# Altium PCB H3_PCB_20191213_V2.PcbDoc (part 1 of 4)
Units mil, origin at the board's own origin, x right, y up, seen from the top; angles counter-clockwise.
Board outline 3705.03 x 2350.03 mil, 4 copper layers (Top Layer, PWR, GND, Bottom Layer), stack 30.634 mil thick; 134 components, 150 nets, 995 pads, 670 vias.
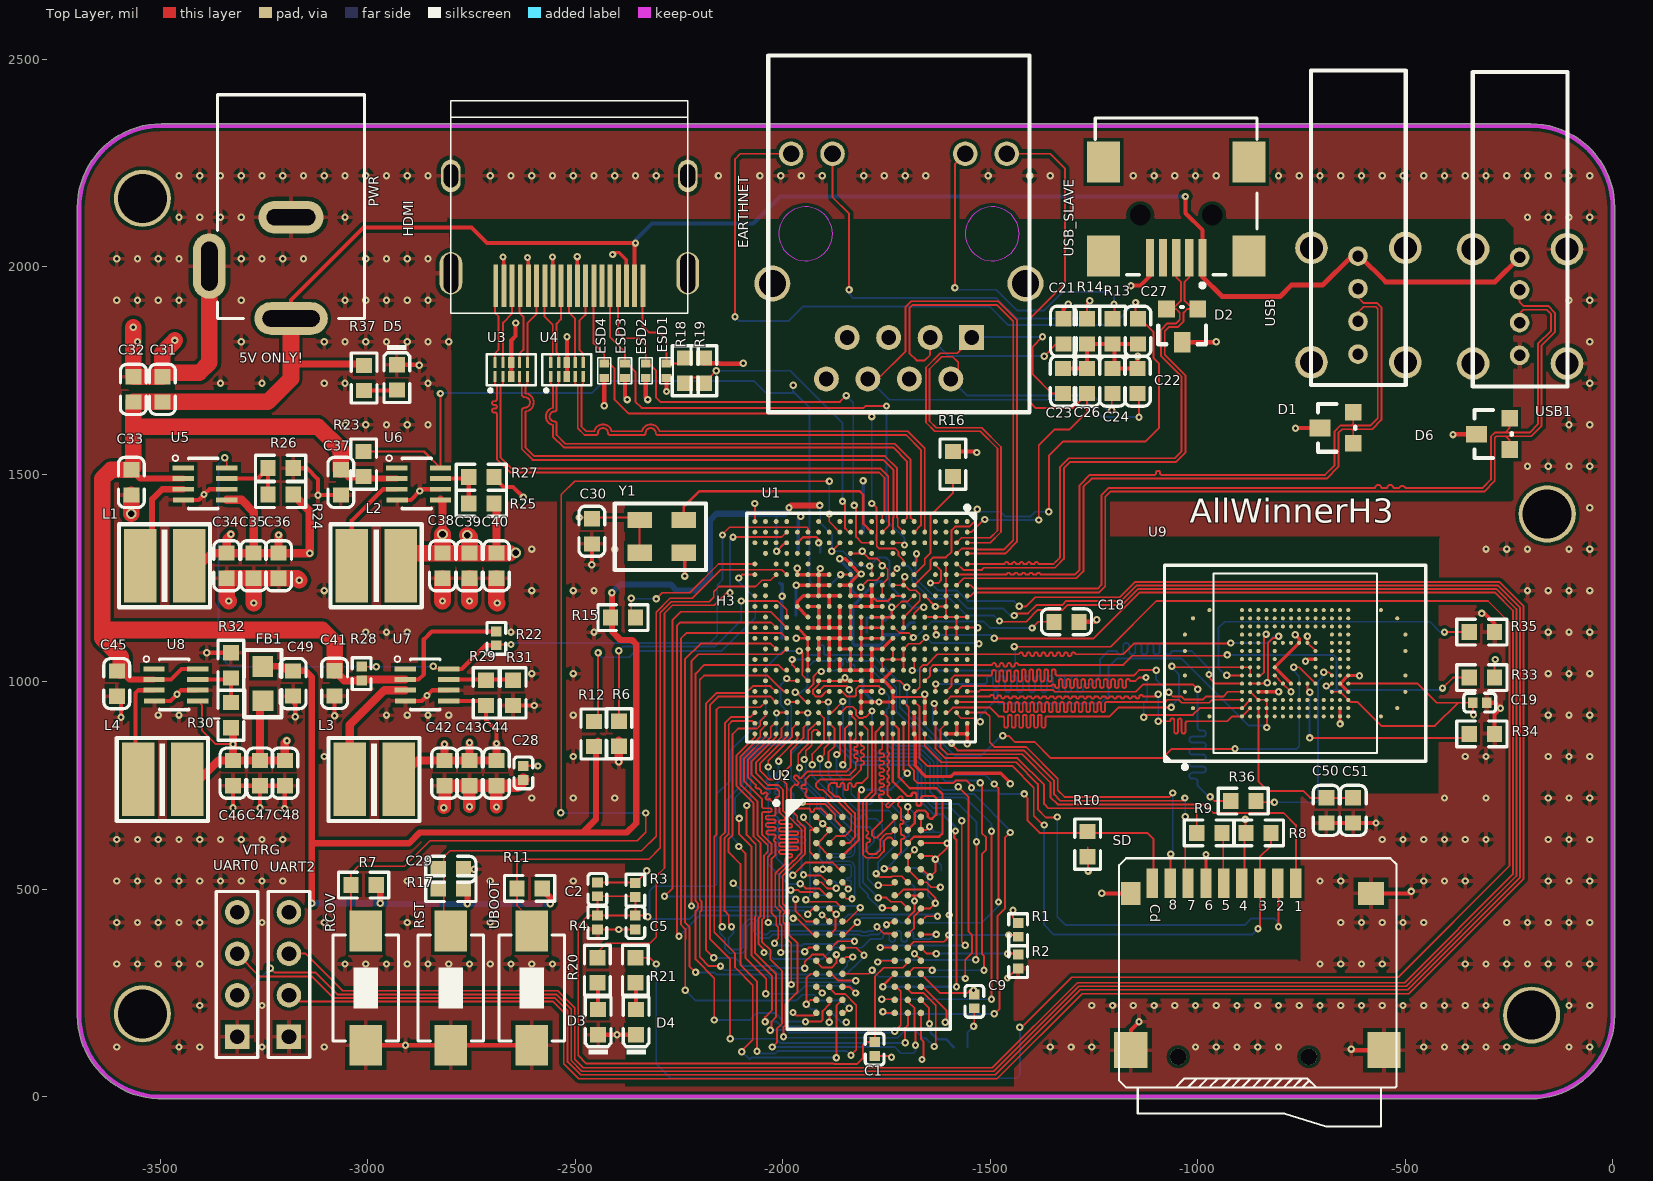
[diagram p0: Top Layer view]
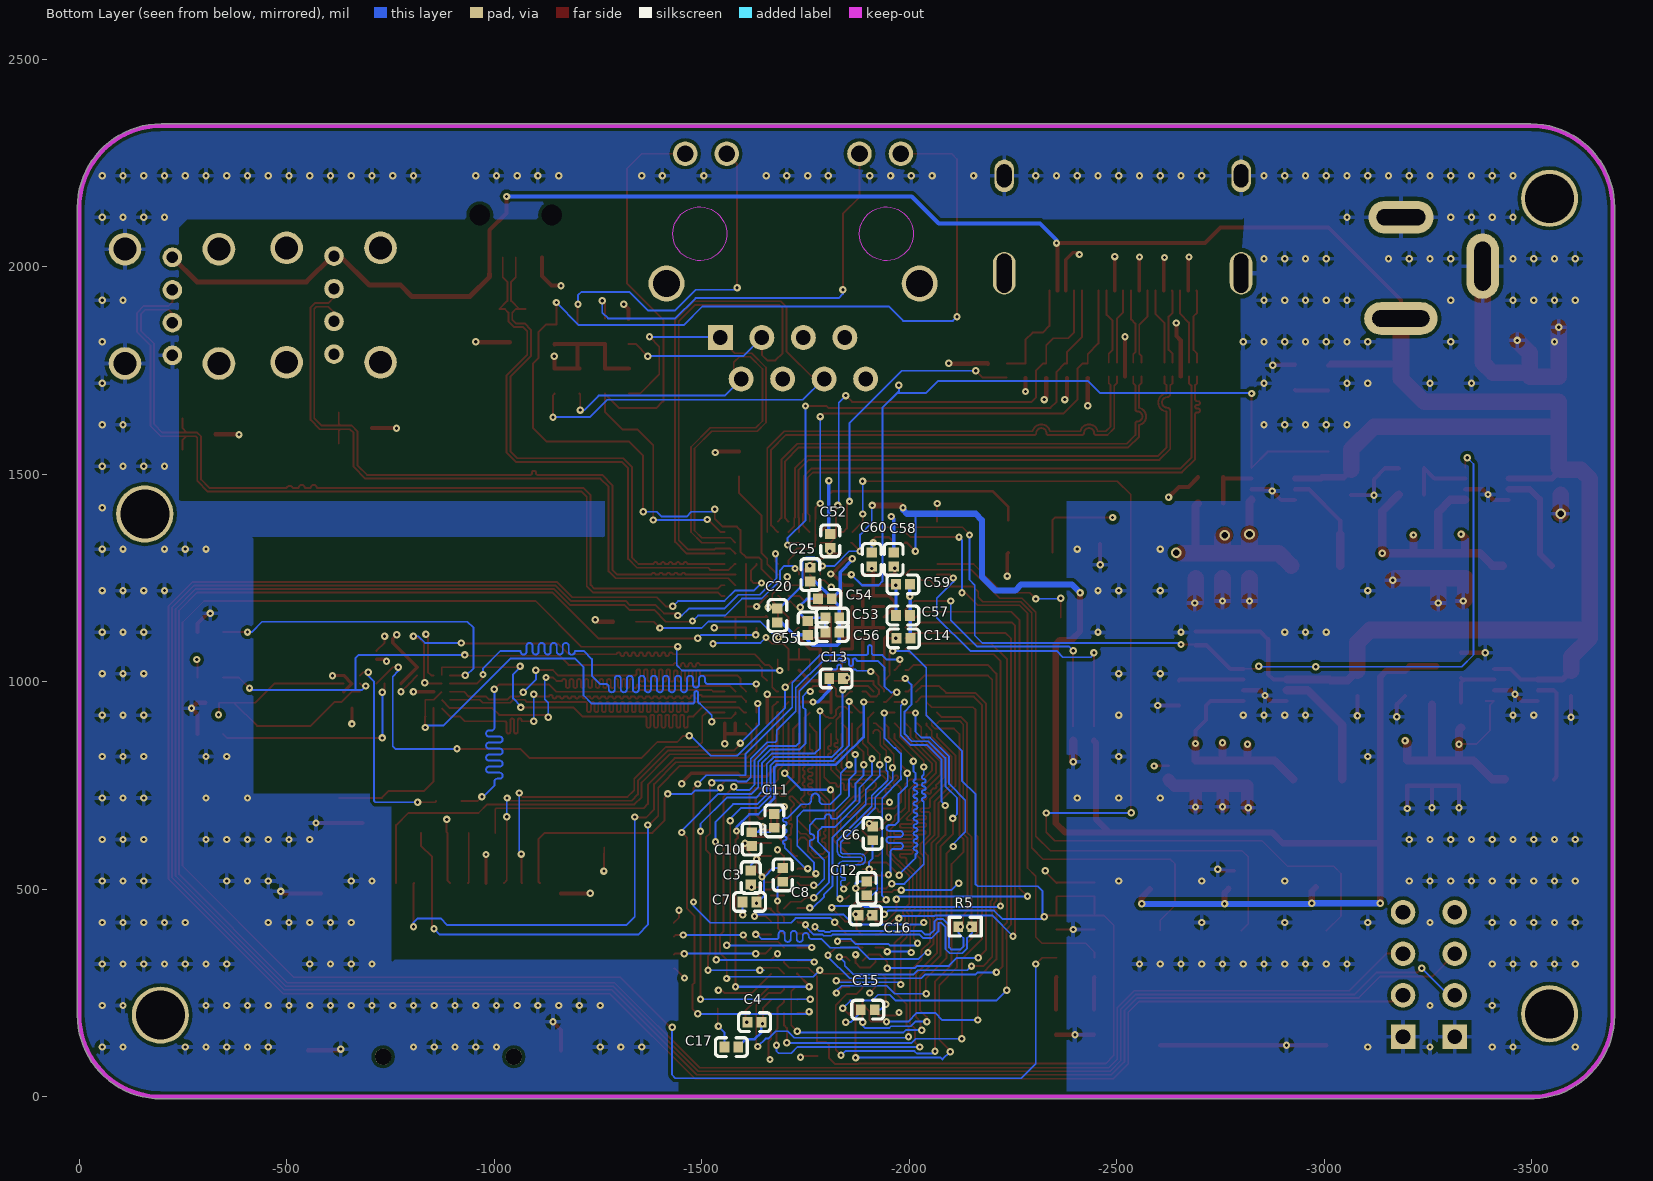
[diagram p1: Bottom Layer view, seen from below]
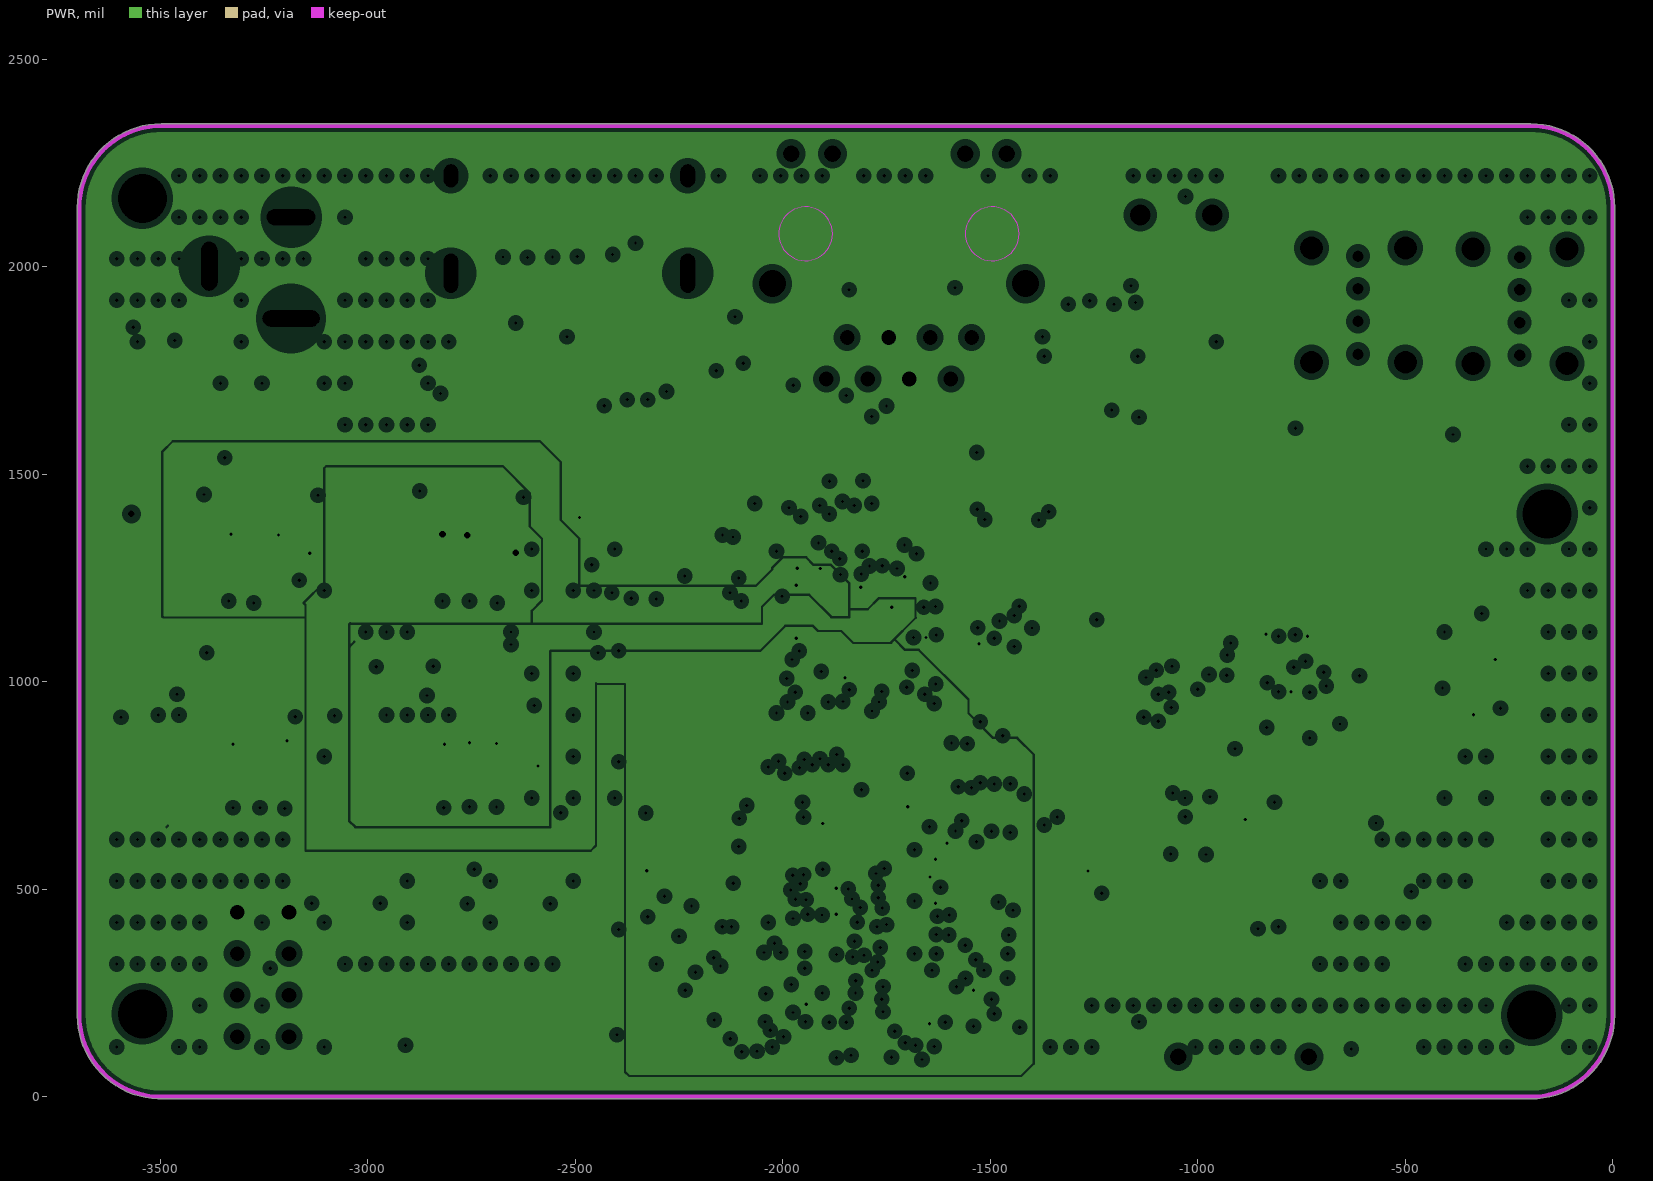
[diagram p2: PWR, clearances drawn from the general rule]
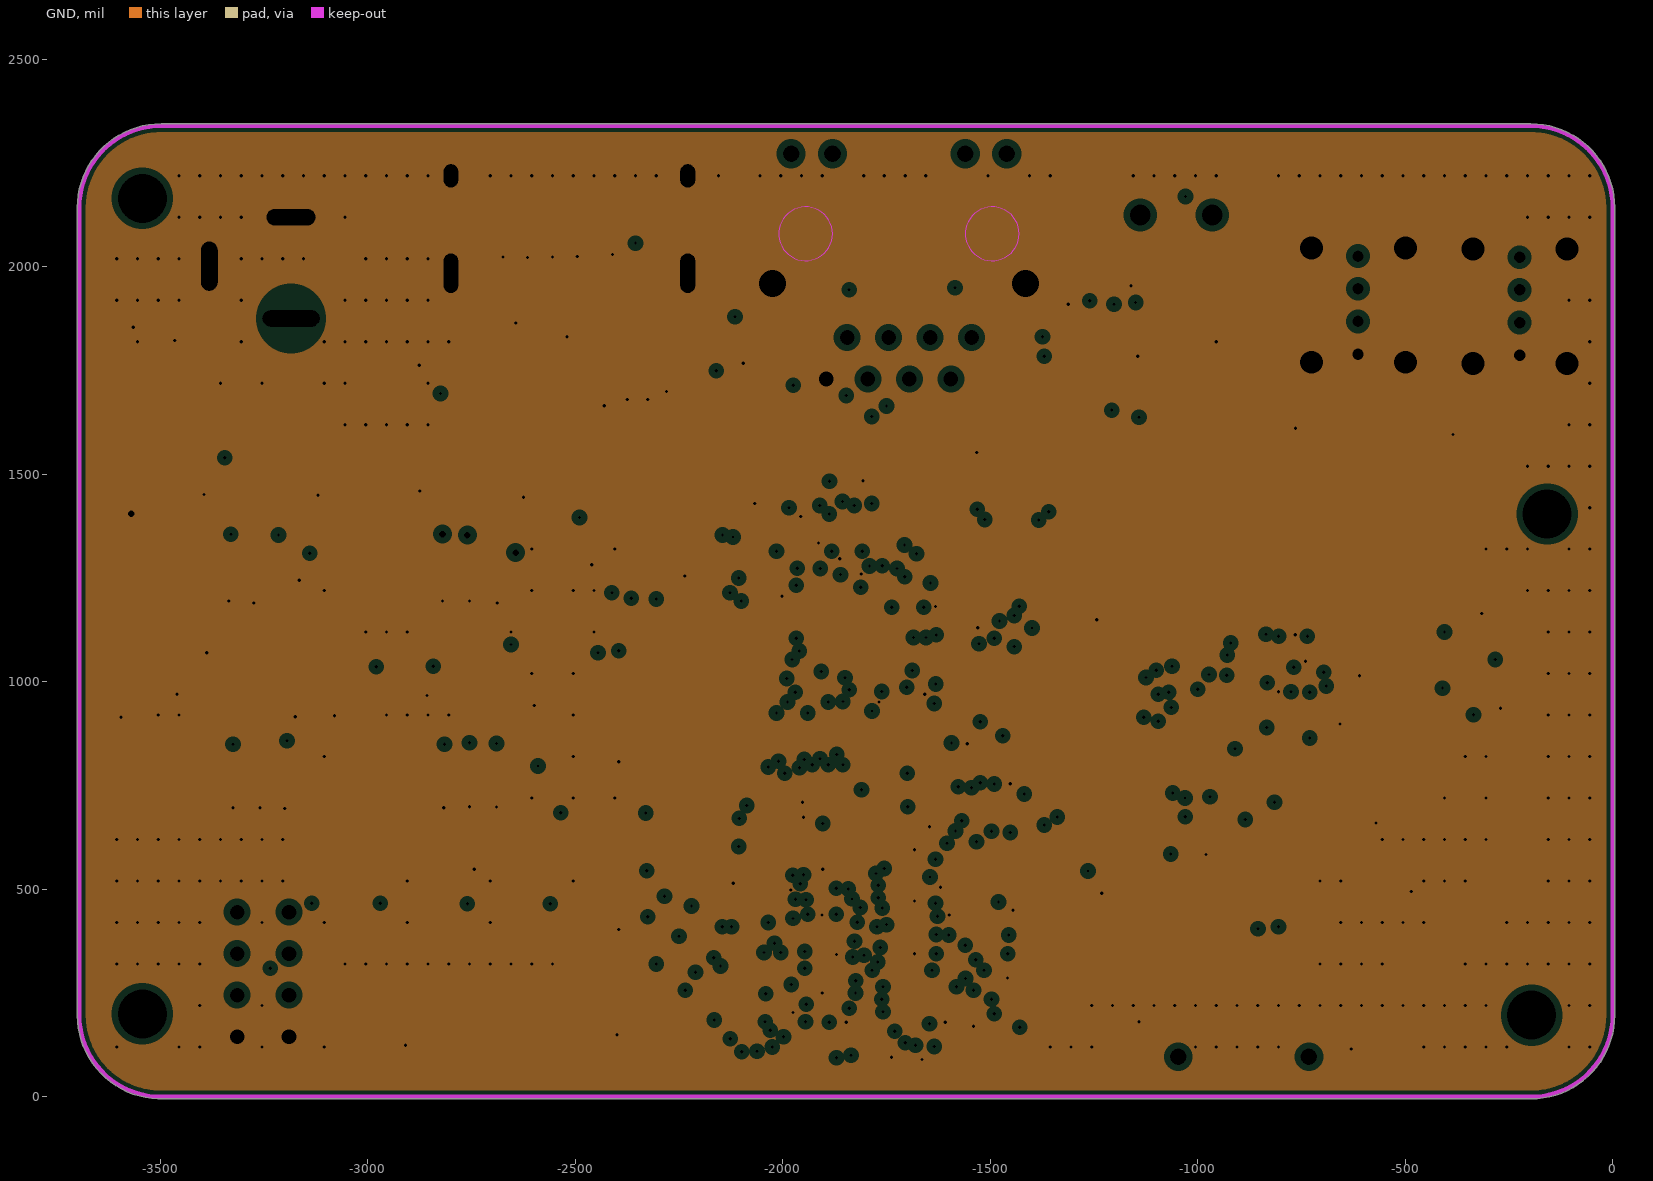
[diagram p3: GND, clearances drawn from the general rule]
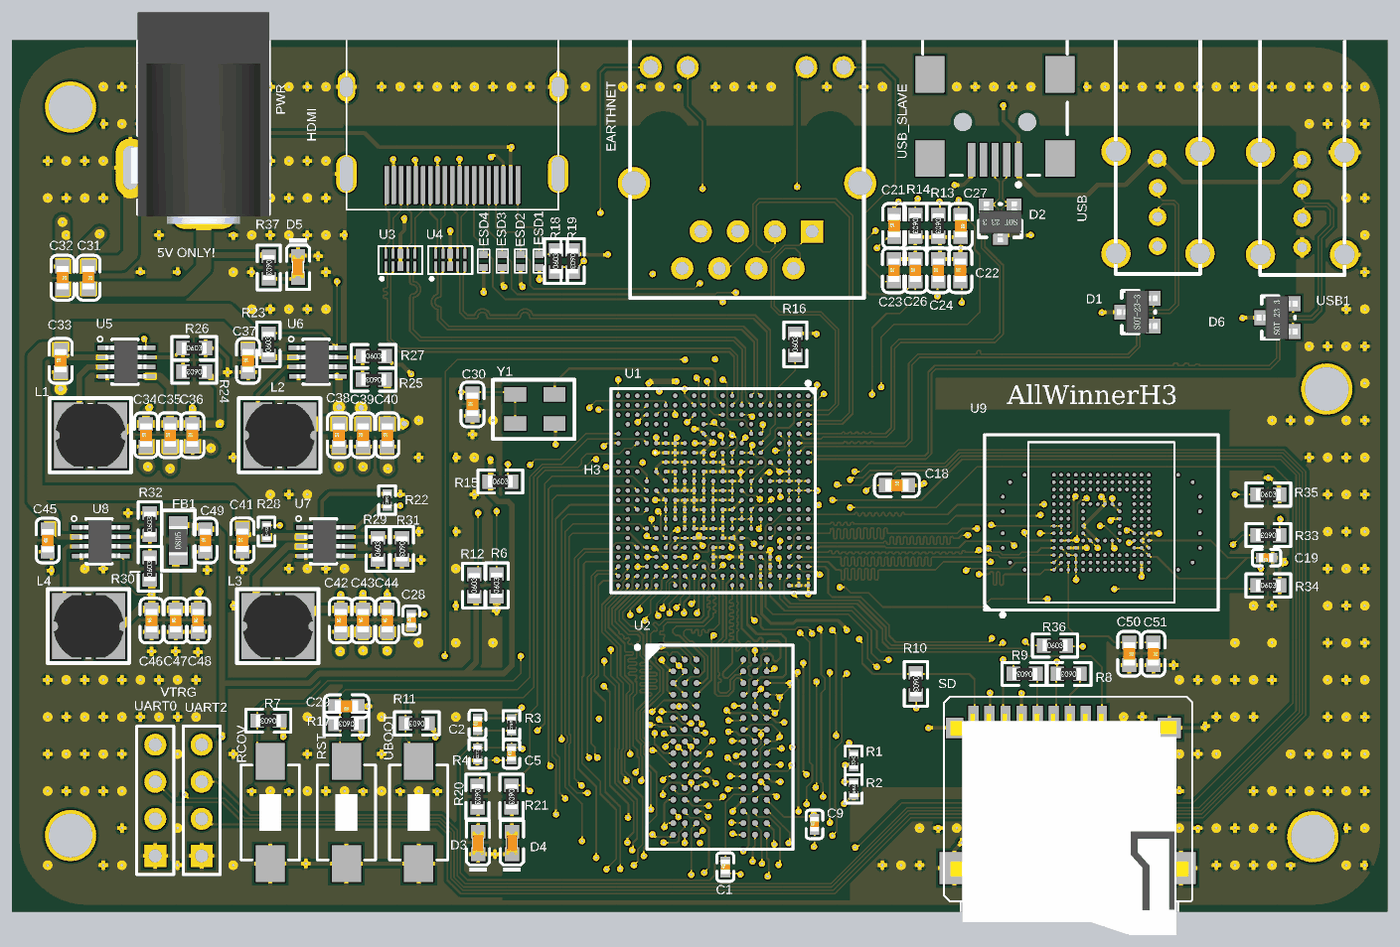
[diagram p7: 3D render of the assembled board from above, using the file's embedded part models]
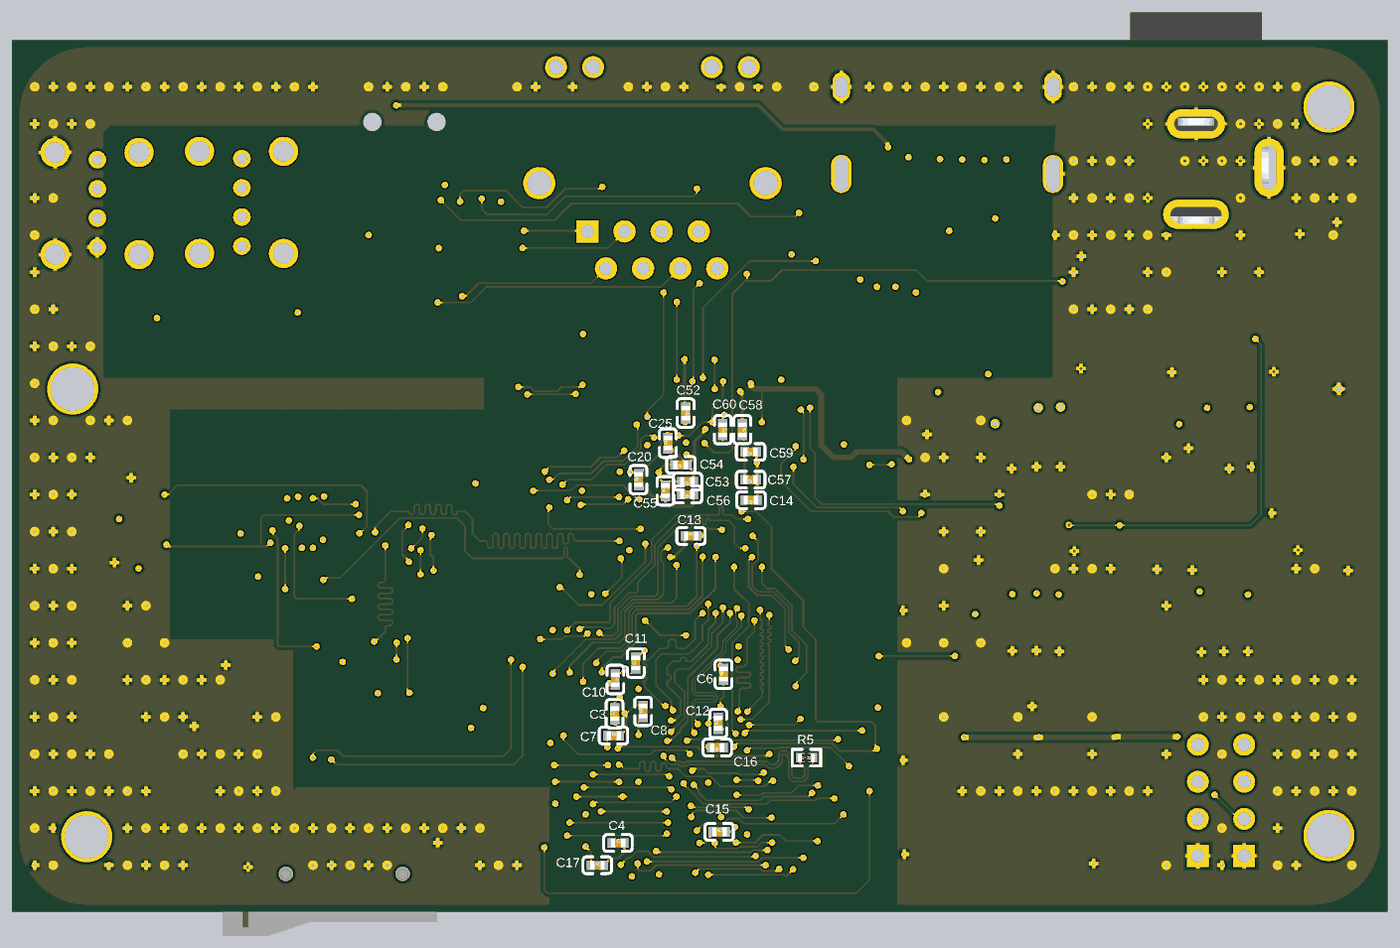
[diagram p8: 3D render of the assembled board from below, using the file's embedded part models]

## Layer stack, top to bottom
Top Solder: solder mask 0.4, Solder Resist, Dk 3.5
Top Layer: signal copper 1.4
Dielectric 1: core 10, FR-4, Dk 4.2
PWR: plane copper 1.417, net (Multiple Nets)
Dielectric 2: prepreg 5, Dk 4.2
GND: plane copper 1.417, net GND
Dielectric 3: core 10, Dk 4.2
Bottom Layer: signal copper 1.4
Bottom Solder: solder mask 0.4, Solder Resist, Dk 3.5

## Board outline
-3505.01,-4.9 cw(c-3498.15,196.85) -3700.02,196.85 -3700.02,2143.15 cw(c-3498.15,2143.15) -3498.15,2345.02 -196.85,2345.02 cw(c-196.85,2143.15) 5.02,2143.15 5.02,196.85 cw(c-196.85,196.85) -196.85,-5.01 -3503.94,-5.01 cw(c-3503.94,0)

## Design rules (kind name [scope] priority, off if disabled: settings)
Clearance [All] p1: gap=4
DiffPairsRouting [All] p1: maxlimit=6 minlimit=3.5 mostfreqgap=4.5 toplayer_minwidth=3.5 toplayer_maxwidth=5 toplayer_prefwidth=4.5 bottomlayer_minwidth=3.5 bottomlayer_maxwidth=5 bottomlayer_prefwidth=4.5 maxuncoupledlength=500
MatchedLengths MeMMC [InNetClass('eMMC')] p1: tolerance=100 checknetsindiffpair=FALSE checkdiffpairvsdiffpair=TRUE checkxsignals=TRUE checkothers=TRUE
MatchedLengths MDDR_ADD [InNetClass('DDR_ADD')] p2: tolerance=600 checknetsindiffpair=FALSE checkdiffpairvsdiffpair=TRUE checkxsignals=TRUE checkothers=TRUE
MatchedLengths MDDR_DQ0-7 [InNetClass('DDR_SDQ0_7')] p3: tolerance=50 checknetsindiffpair=FALSE checkdiffpairvsdiffpair=TRUE checkxsignals=TRUE checkothers=TRUE
MatchedLengths MDDR_DQ8-15 [InNetClass('DDR_SDQ8-15')] p4: tolerance=50 checknetsindiffpair=FALSE checkdiffpairvsdiffpair=TRUE checkxsignals=TRUE checkothers=TRUE
PlaneClearance [All] p1: clearance=15
PlaneConnect [All] p1: planeconnectstyle=Direct reliefexpansion=20 reliefentries=4 reliefconductorwidth=10 reliefairgap=10
PolygonConnect [All] p1: connectstyle=Relief reliefconductorwidth=10 reliefentries=4 polygonreliefangle="90 Angle" airgapwidth=10
RoutingVias [All] p1: holewidth=7.87 width=17.72 viastyle="Through Hole" minholewidth=7.87 minwidth=17.72 maxholewidth=78.74 maxwidth=78.74
SolderMaskExpansion [All] p1: expansion=4
Width [All] p1: maxlimit=200 minlimit=3.5 preferedwidth=4.5
27 further rules are at their usual default settings.

## Classes and differential pairs
net class USB: USB0_N USB0_P USB1_N USB1_P
net class SDC: SDC0_CLK SDC0_CMD SDC0_D0 SDC0_D1 SDC0_D2 SDC0_D3 SDC0_DET
net class Undefined: SDQ0 SDQ1 SDQ2 SDQ3 SDQ4 SDQ5 SDQ6 SDQ7 SDQ8 SDQ9 SDQ10 SDQ11 SDQ12 SDQ13 SDQ14 SDQ15 SDQM0 SDQM1 SDQS0_N SDQS0_P SDQS1_N SDQS1_P
component class 6_eMMC: C50 C51 R33 R34 R35 R36 U9
component class 5_POWER: C31 C32 C33 C34 C35 C36 C37 C38 C39 C40 C41 C42 C43 C44 C45 C46 C47 C48 C49 D5 FB1 L1 L2 L3 L4 PWR R22 R23 R24 R25 R26 R27 R28 R29 R30 R31 R32 R37 U5 U6 U7 U8
component class 4_CPU: C18 C19 C20 C21 C22 C23 C24 C25 C26 C27 C28 C29 C30 C52 C53 C54 C55 C56 C57 C58 C59 C60 D1 D2 D3 D4 D6 EARTHNET ESD1 ESD2 ESD3 ESD4 hdmi R7 R8 R9 R10 R11 R12 R13 R14 R15 R16 R17 R18 R19 R20 R21 RCOV RST SD U3 U4 UART0 UART2 UBOOT USB USB1 USB_SLAVE Y1
component class 3_DDR3: C1 C2 C3 C4 C5 C6 C7 C8 C9 C10 C11 C12 C13 C14 C15 C16 C17 R1 R2 R3 R4 R5 R6 U1 U2
net class DDR_SDQ0_7: SDQ0 SDQ1 SDQ2 SDQ3 SDQ4 SDQ5 SDQ6 SDQ7 SDQM0 SDQS0_N SDQS0_P
net class DDR_SDQ8-15: SDQ8 SDQ9 SDQ10 SDQ11 SDQ12 SDQ13 SDQ14 SDQ15 SDQM1 SDQS1_N SDQS1_P
net class DDR_ADD: SA0 SA1 SA2 SA3 SA4 SA5 SA6 SA7 SA8 SA9 SA10 SA11 SA12 SA13 SA14 SA15 SBA0 SBA1 SBA2 SCAS SCK_N SCK_P SCKE0 SCKE1 SCS0 SCS1 SODT0 SODT1 SRAS SRST SWE
net class eMMC: EMMC_CLK EMMC_CMD EMMC_DAT0 EMMC_DAT1 EMMC_DAT2 EMMC_DAT3 EMMC_DAT4 EMMC_DAT5 EMMC_DAT6 EMMC_DAT7 EMMC_RST
net class NETWORK: EPHY_RX_N EPHY_RX_P EPHY_TX_N EPHY_TX_P
net class HDMI: HTX0_N HTX0_P HTX1_N HTX1_P HTX2_N HTX2_P HTXC_N HTXC_P
differential pair USB1: +USB1_P -USB1_N
differential pair USB0: +USB0_P -USB0_N
differential pair SDQS1: +SDQS1_P -SDQS1_N
differential pair SDQS0: +SDQS0_P -SDQS0_N
differential pair SCK: +SCK_P -SCK_N
differential pair HTXC: +HTXC_P -HTXC_N
differential pair HTX2: +HTX2_P -HTX2_N
differential pair HTX1: +HTX1_P -HTX1_N
differential pair HTX0: +HTX0_P -HTX0_N
differential pair EPHY_TX: +EPHY_TX_P -EPHY_TX_N
differential pair EPHY_RX: +EPHY_RX_P -EPHY_RX_N
differential pair USB2: +USB2_P -USB2_N

## Components (designator, comment, footprint, x,y, rotation, side; value= is the part's Value field where it differs from the comment)
C1 "100nF" 0402_C -1778.5,115 r90 top
C2 "100nF" 0402_C -2446.52,500 r90 top
C3 "100nF" 0402_C -1618,528.39 r90 bottom
C4 "1uF" 0402_C -1627,180 r180 bottom
C5 "100nF" 0402_C -2355,420 r90 top
C6 "100nF" 0402_C -1911.54,635 r90 bottom
C7 "100nF" 0402_C -1615,469.61 r180 bottom
C8 "100nF" 0402_C -1695,535 r90 bottom
C9 "100nF" 0402_C -1538.27,230 r90 top
C10 "100nF" 0402_C -1620,621 r270 bottom
C11 "100nF" 0402_C -1675,665 r90 bottom
C12 "100nF" 0402_C -1897.37,502.36 r90 bottom
C13 "100nF" 0402_C -1823.84,1008.27 r180 bottom
C14 "100nF" 0402_C -1985.94,1104.79 r0 bottom
C15 "100nF" 0402_C -1900,210 r180 bottom
C16 "100nF" 0402_C -1894.8,437.39 r0 bottom
C17 "100nF" 0402_C -1571.27,120 r180 bottom
C18 "10uF" 0603_C -1316,1144.89 r0 top
C19 "100nF" 0402_C -320,949.78 r180 top
C20 "100nF" 0402_C -1682.23,1160 r90 bottom
C21 "10pF" 0603_C -1323.34,1845 r90 top
C22 "10pF" 0603_C -1145.07,1725 r90 top
C23 "10pF" 0603_C -1324,1725 r90 top
C24 "10pF" 0603_C -1205,1725 r90 top
C25 "100nF" 0402_C -1761.64,1258.54 r90 bottom
C26 "100nF" 0603_C -1266.5,1725 r90 top
C27 "100nF" 0603_C -1144.08,1845 r270 top
C28 "100nF" 0402_C -2625,780.61 r90 top
C29 "100nF" 0603_C -2799.8,548.5 r180 top
C30 "100nF" 0603_C -2460,1363 r90 top
C31 "10uF" 0603_C -3495,1705 r270 top
C32 "10uF" 0603_C -3565,1705 r270 top
C33 "10uF" 0603_C -3570,1480.74 r90 top
C34 "10uF" 0603_C -3340,1280 r90 top
C35 "10uF" 0603_C -3275,1280 r90 top
C36 "10uF" 0603_C -3215,1280 r90 top
C37 "10uF" 0603_C -3065,1480.74 r90 top
C38 "10uF" 0603_C -2820,1280 r90 top
C39 "10uF" 0603_C -2755,1280 r90 top
C40 "10uF" 0603_C -2690,1280 r90 top
C41 "10uF" 0603_C -3080,996.4 r90 top
C42 "10uF" 0603_C -2815,780 r90 top
C43 "10uF" 0603_C -2755,780 r90 top
C44 "10uF" 0603_C -2690,780 r90 top
C45 "10uF" 0603_C -3605,995.8 r90 top
C46 "10uF" 0603_C -3325,780 r90 top
C47 "10uF" 0603_C -3260,780 r90 top
C48 "10uF" 0603_C -3200,780 r90 top
C49 "10uF" 0603_C -3180,996 r90 top
C50 "1uF" 0603_C -690,690.27 r270 top
C51 "100nF" 0603_C -625,690.27 r270 top
C52 "100nF" 0402_C -1809.5,1340 r270 bottom
C53 "100nF" 0402_C -1814.5,1155 r0 bottom
C54 "100nF" 0402_C -1796.5,1200 r0 bottom
C55 "100nF" 0402_C -1755,1130 r90 bottom
C56 "100nF" 0402_C -1814.5,1120 r0 bottom
C57 "100nF" 0402_C -1984.74,1160 r0 bottom
C58 "100nF" 0402_C -1962.25,1295 r270 bottom
C59 "100nF" 0402_C -1984.74,1235 r0 bottom
C60 "100nF" 0402_C -1909.62,1295 r270 bottom
D1 "ESD5302F" SOT23-3 -624.37,1569.92 r90 top
D2 "ESD5302F" SOT23-3 -995.12,1899.36 r180 top
D3 "红灯 0603" 0603_LED_S1 -2445,180 r90 top
D4 "绿灯 0603" 0603_LED_S1 -2353.48,180 r90 top
D5 "红灯 0603" 0603_LED_S1 -2930,1734 r270 top
D6 "ESD5302F" SOT23-3 -247.37,1555.12 r90 top
EARTHNET "RJ45" HR911105A -1720,2080 r0 top
ESD1 "NC/ESD9B5V-2/TR" TVS0402 -2280,1750 r270 top
ESD2 "NC/ESD9B5V-2/TR" TVS0402 -2330,1750 r270 top
ESD3 "NC/ESD9B5V-2/TR" TVS0402 -2380,1750 r270 top
ESD4 "NC/ESD9B5V-2/TR" TVS0402 -2430,1750 r270 top
FB1 "BLM21PG331SN1D" F0805 -3252.8,954.7 r90 top
HDMI "HDMI_19plug" HDMI_SMD_A -2228.94,2400.28 r180 top
L1 "4R7_CD43" CD43NP -3490,1280 r180 top
L2 "4R7_CD43" CD43NP -2980,1280 r180 top
L3 "4R7_CD43" CD43NP -2985,765 r180 top
L4 "4R7_CD43" CD43NP -3495,765 r180 top